# Altium PCB waffling80_classyTKL-NMB.PcbDoc (part 3 of 3)
Units mm, origin at the board's own origin, x right, y up, seen from the top; angles counter-clockwise.
Board outline 346.59 x 122.85 mm, 2 copper layers (Component Side, Bottom Layer), stack 1.171 mm thick; 212 components, 134 nets, 861 pads, 195 vias.
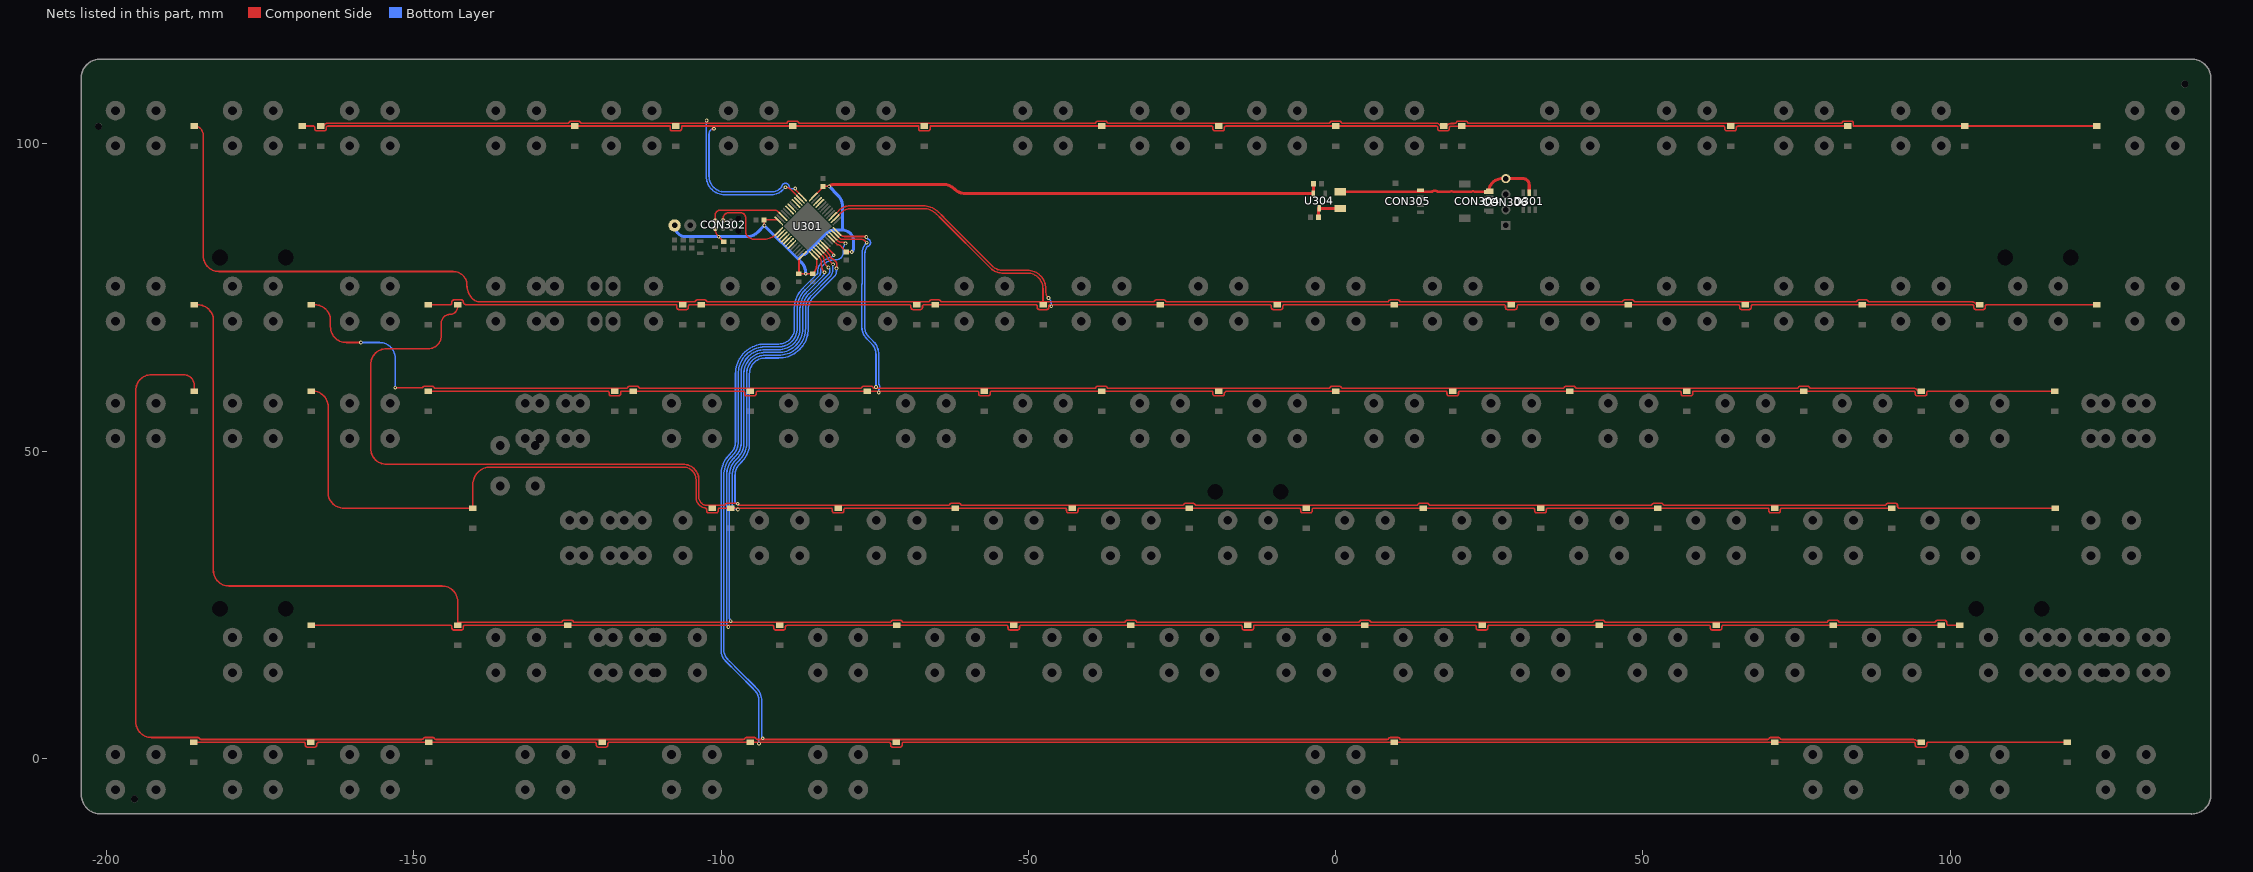
[diagram p3: the nets of this part, all layers, seen from the top]

## Via types
v1: diameter 0.6, hole 0.3, Component Side to Bottom Layer, tented both sides, 170 vias
v2: diameter 0.6, hole 0.3, Component Side to Bottom Layer, tented bottom, 25 vias

## Nets (pads, with @x,y where several pads share a name; then routed paths per layer and width w, separated by ;. In a path a pad name is that pad's centre, name@x,y a point inside that pad or via, vN(x,y) a via of type N, cw(c..) or ccw(c..) an arc to the next point about the centre after c; other vN are vias at no path point) (continued)
PA0: D250.2 D281.2 D284.2 D286.2 D288.2 U301.10 | length 457
  Component Side w0.254: D250.2@-185.737,59.785 -185.737,60.735 ccw(c-187.453,60.735) -187.453,62.45 -192.723,62.45 ccw(c-192.723,59.91) -195.263,59.91 -195.263,5.957 ccw(c-192.723,5.957) -192.723,3.417 -185.185,3.417 cw(c-185.185,3.09) -184.89,3.232 ccw(c-184.662,3.343) -184.663,3.089 -148.7,3.089 ccw(c-148.701,3.343) -148.473,3.232 cw(c-148.178,3.09) -148.178,3.417 -146.958,3.417 cw(c-146.958,3.09) -146.663,3.232 ccw(c-146.435,3.343) -146.436,3.089 -96.376,3.089 ccw(c-96.377,3.343) -96.149,3.232 cw(c-95.854,3.09) -95.854,3.417 -94.634,3.417 cw(c-94.634,3.09) -94.339,3.232 ccw(c-94.111,3.343) -94.112,3.089 8.393,3.089 ccw(c8.392,3.343) 8.62,3.232 cw(c8.915,3.09) 8.915,3.417 10.135,3.417 cw(c10.135,3.09) 10.43,3.232 ccw(c10.658,3.343) 10.657,3.089 70.305,3.089 ccw(c70.304,3.343) 70.532,3.232 cw(c70.827,3.09) 70.827,3.417 72.047,3.417 cw(c72.047,3.09) 72.342,3.232 ccw(c72.57,3.343) 72.569,3.089 94.059,3.089 cw(c94.059,2.381) 94.522,2.917 ccw(c94.687,3.11) 94.656,2.858 ccw(c94.687,3.11) 94.686,2.856 94.767,2.856 94.927,2.783 D281.2@95.25,2.635 ; U301.10@-81.653,84.861 -80.99,84.198 ccw(c-80.582,84.606) -80.582,84.028 -80.259,84.028 cw(c-80.259,83.317) v1(-79.756,83.82)
  Bottom Layer w0.254: -94.548,11.751 -96.956,14.159 -98.65,15.853 -98.947,16.15 cw(c-97.473,17.626) -99.559,17.626 -99.559,46.112 cw(c-95.203,46.112) -98.279,49.196 -98.087,49.389 ccw(c-100.203,51.506) -97.209,51.506 -97.209,62.627 cw(c-92.853,62.627) -96.924,64.176 cw(c-92.853,62.627) -95.348,66.198 cw(c-92.853,62.627) -93.317,66.958 cw(c-92.853,62.627) -93.31,66.959 ccw(c-93.338,67.211) -93.308,66.959 cw(c-92.936,64.062) -92.936,66.983 -90.624,66.983 ccw(c-90.624,69.977) -87.963,68.604 ccw(c-90.624,69.977) -87.63,69.977 -87.63,73.154 cw(c-83.274,73.154) -87.42,74.49 ; -94.547,11.75 -94.277,11.48 cw(c-96.393,9.362) -93.399,9.362 -93.399,3.356 ccw(c-93.345,3.356) v1@-93.345,3.302 ; -87.563,73.914 cw(c-83.274,73.154) -87.2,75.04 ; -87.336,74.728 cw(c-83.274,73.154) -87.029,75.361 cw(c-83.274,73.154) -86.351,76.238 -84.069,78.519 ccw(c-84.672,79.121) -83.82,79.121 -83.82,79.297 cw(c-82.422,79.297) -83.41,80.286 -83.182,80.515 cw(c-81.498,78.613) -81.498,81.153 -81.28,81.153 ccw(c-81.28,82.296) -80.137,82.296 -80.137,82.9 cw(c-78.836,82.9) -79.999,83.483 cw(c-78.836,82.9) v1(-79.756,83.82)
  other v1: -93.222,3.283
PA1: D232.2 D235.2 D237.2 D239.2 D241.2 D243.2 D245.2 D247.2 U301.11 | length 303.6
  Component Side w0.254: D232.2@-166.687,73.835 -166.116,73.835 cw(c-166.116,71.295) -163.576,71.295 -163.576,70.231 ccw(c-161.036,70.231) -161.036,67.691 v1(-158.623,67.691) ; v1(-153.035,60.341) -148.714,60.341 ccw(c-148.714,60.595) -148.535,60.415 -148.482,60.468 cw(c-148.247,60.24) -148.247,60.567 -147.027,60.567 cw(c-147.027,60.24) -146.844,60.511 cw(c-147.027,60.24) -146.732,60.382 ccw(c-146.504,60.493) -146.505,60.239 -115.432,60.239 ccw(c-115.433,60.493) -115.205,60.382 cw(c-114.91,60.24) -114.91,60.567 -113.69,60.567 cw(c-113.69,60.24) -113.431,60.439 cw(c-113.69,60.24) -113.395,60.382 ccw(c-113.167,60.493) -113.168,60.239 -77.332,60.239 ccw(c-77.333,60.493) -77.105,60.382 cw(c-76.81,60.24) -76.81,60.567 -75.59,60.567 cw(c-75.59,60.24) -75.295,60.382 ccw(c-75.067,60.493) -75.068,60.239 -39.232,60.239 ccw(c-39.233,60.493) -39.005,60.382 cw(c-38.71,60.24) -38.71,60.567 -37.49,60.567 cw(c-37.49,60.24) -37.195,60.382 ccw(c-36.967,60.493) -36.968,60.239 -1.132,60.239 ccw(c-1.133,60.493) -0.905,60.382 cw(c-0.61,60.24) -0.61,60.567 0.61,60.567 cw(c0.61,60.24) 0.905,60.382 ccw(c1.133,60.493) 1.132,60.239 36.968,60.239 ccw(c36.967,60.493) 37.195,60.382 cw(c37.49,60.24) 37.49,60.567 38.71,60.567 cw(c38.71,60.24) 39.005,60.382 ccw(c39.233,60.493) 39.232,60.239 55.959,60.239 cw(c55.959,59.531) 56.12,60.22 ccw(c56.177,60.468) 56.176,60.214 58.124,60.214 ccw(c58.123,60.468) 58.179,60.22 cw(c58.341,59.531) 58.341,60.239 75.068,60.239 ccw(c75.067,60.493) 75.295,60.382 cw(c75.59,60.24) 75.59,60.567 76.81,60.567 cw(c76.81,60.24) 77.069,60.439 cw(c76.81,60.24) 77.105,60.382 ccw(c77.333,60.493) 77.332,60.239 94.01,60.239 cw(c94.01,59.435) 94.417,60.129 cw(c94.059,59.518) 94.654,59.901 ccw(c94.867,60.039) 94.693,59.854 94.767,59.854 D235.2@95.25,59.785 ; U301.11@-81.3,85.214 -81.287,85.214 -80.765,84.692 ccw(c-80.258,85.2) -80.258,84.482 -77.245,84.482 cw(c-77.245,83.554) -76.588,84.21 v1(-76.316,83.939)
  Bottom Layer w0.254: v1(-158.623,67.691) -155.575,67.691 cw(c-155.575,65.151) -153.035,65.151 v1(-153.035,60.341) ; v1(-76.316,83.939) ccw(c-74.521,82.144) -77.06,82.144 -77.06,77.39 ccw(c-74.095,76.972) -77.089,76.972 -77.089,70.14 ccw(c-74.549,70.14) -76.345,68.344 -75.547,67.546 cw(c-77.343,65.75) -74.803,65.75 v1@-74.803,60.706
  other v1: -74.803,60.452
PA2: D234.2 D236.2 D238.2 D240.2 D242.2 D244.2 D246.2 D248.2 U301.12 | length 303.6
  Component Side w0.254: D248.2@-147.637,59.785 -118.491,59.785 cw(c-118.491,59.531) -118.237,59.531 -118.237,59.33 ccw(c-117.91,59.33) -117.91,59.003 -116.69,59.003 ccw(c-116.69,59.33) -116.363,59.33 -116.363,59.531 cw(c-116.109,59.531) -116.109,59.785 D246.2@-114.3,59.785 -96.441,59.785 cw(c-96.441,59.531) -96.187,59.531 -96.187,59.33 ccw(c-95.86,59.33) -95.86,59.003 -94.64,59.003 ccw(c-94.64,59.33) -94.313,59.33 -94.313,59.504 cw(c-94.059,59.503) -94.147,59.741 cw(c-93.901,59.071) -93.901,59.785 D244.2@-76.2,59.785 -58.341,59.785 cw(c-58.341,59.531) -58.087,59.531 -58.087,59.33 ccw(c-57.76,59.33) -57.76,59.003 -56.54,59.003 ccw(c-56.54,59.33) -56.213,59.33 -56.213,59.523 cw(c-55.959,59.521) -56.076,59.747 cw(c-55.919,59.443) -55.919,59.785 D242.2@-38.1,59.785 -20.241,59.785 cw(c-20.241,59.531) -19.987,59.531 -19.987,59.33 ccw(c-19.66,59.33) -19.66,59.003 -18.44,59.003 ccw(c-18.44,59.33) -18.113,59.33 -18.113,59.402 cw(c-17.859,59.401) -18.072,59.539 cw(c-17.617,59.241) -17.617,59.785 D240.2@0,59.785 17.859,59.785 cw(c17.859,59.531) 18.113,59.531 18.113,59.33 ccw(c18.44,59.33) 18.44,59.003 19.66,59.003 ccw(c19.66,59.33) 19.987,59.33 19.987,59.531 cw(c20.241,59.531) 20.241,59.785 D238.2@38.1,59.785 55.959,59.785 cw(c55.959,59.531) 56.213,59.531 56.213,59.33 ccw(c56.54,59.33) 56.54,59.003 57.76,59.003 ccw(c57.76,59.33) 58.087,59.33 58.087,59.531 cw(c58.341,59.531) 58.341,59.785 D236.2@76.2,59.785 94.01,59.785 cw(c94.01,59.435) 94.188,59.737 cw(c94.059,59.518) 94.313,59.519 94.313,59.33 ccw(c94.64,59.33) 94.64,59.003 95.86,59.003 ccw(c95.86,59.33) 96.187,59.33 96.187,59.531 cw(c96.441,59.531) 96.441,59.785 D234.2@117,59.785 ; U301.12@-80.946,85.568 U301.12@-80.568,85.19 ; U301.12@-80.567,85.189 ccw(c-79.957,85.801) -79.957,84.936 -76.427,84.936 v1(-76.363,84.872)
  Bottom Layer w0.254: v1(-76.363,84.872) -76.363,84.779 -76.226,84.642 -76.226,84.559 cw(c-76.316,83.939) -76.131,83.34 ccw(c-76.054,83.097) -76.169,83.324 -76.212,83.302 ccw(c-76.097,83.076) -76.315,83.206 ccw(c-74.521,82.144) -76.483,82.849 ccw(c-74.521,82.144) -76.606,82.144 -76.606,77.392 cw(c-77.06,77.39) -76.609,77.337 ccw(c-76.356,77.309) -76.609,77.334 ccw(c-76.356,77.309) -76.61,77.319 -76.611,77.316 ccw(c-76.363,77.262) -76.614,77.296 ccw(c-74.095,76.972) -76.635,76.972 -76.635,70.14 ccw(c-74.549,70.14) -76.023,68.664 -75.959,68.6 -75.227,67.868 cw(c-77.343,65.75) -74.349,65.75 -74.349,60.975 ccw(c-74.095,60.976) -74.3,60.826 cw(c-74.803,60.452) -74.3,60.078 ccw(c-74.095,59.928) -74.349,59.929 -74.349,59.739 cw(c-74.598,59.739) v1@-74.422,59.563
  other v1: -74.349,59.563
PA4: D216.2 D218.2 D220.2 D222.2 D224.2 D226.2 D228.2 D230.2 U301.14 | length 359.9
  Component Side w0.254: D216.2@-185.737,102.92 cw(c-185.737,101.459) -184.277,101.459 -184.277,81.788 ccw(c-181.737,81.788) -181.737,79.248 -143.587,79.248 cw(c-143.587,77.028) -141.367,77.028 ccw(c-138.274,76.981) -140.592,74.933 ccw(c-139.165,76.192) -139.163,74.289 D230.2@-106.275,74.289 ; D230.2@-106.275,73.835 D230.2@-106.275,74.289 ; U301.14@-81.3,88.007 -80.572,88.735 cw(c-78.776,86.939) -78.776,89.479 -67.088,89.479 cw(c-67.088,86.485) -64.97,88.601 -64.179,87.811 -56.106,79.738 ccw(c-54.31,81.534) -54.31,78.994 -50.165,78.994 cw(c-50.165,76.454) -47.625,76.454 D226.2@-47.625,74.289 ; D226.2@-47.625,73.835 D226.2@-47.625,74.289 ; D218.2@104.775,73.835 104.292,73.914 104.217,73.914 cw(c104.401,74.089) 104.186,73.954 ccw(c103.584,73.581) 103.584,74.289 86.857,74.289 cw(c86.858,74.543) 86.63,74.432 ccw(c86.335,74.29) 86.335,74.617 85.115,74.617 ccw(c85.115,74.29) 84.82,74.432 cw(c84.592,74.543) 84.593,74.289 69.401,74.289 48.757,74.289 cw(c48.758,74.543) 48.529,74.432 ccw(c48.235,74.29) 48.235,74.617 47.015,74.617 ccw(c47.015,74.29) 46.72,74.432 cw(c46.492,74.543) 46.493,74.289 10.657,74.289 cw(c10.658,74.543) 10.43,74.432 ccw(c10.135,74.29) 10.135,74.617 8.915,74.617 ccw(c8.915,74.29) 8.62,74.432 cw(c8.392,74.543) 8.393,74.289 -27.443,74.289 cw(c-27.442,74.543) -27.67,74.432 ccw(c-27.965,74.29) -27.965,74.617 -29.185,74.617 ccw(c-29.185,74.29) -29.48,74.432 cw(c-29.708,74.543) -29.707,74.289 -31.242,74.289 -44.992,74.289 D226.2@-47.625,74.289 ; D230.2@-106.275,74.289 -104.407,74.289 ccw(c-104.408,74.543) -104.18,74.432 cw(c-103.885,74.29) -103.885,74.617 -102.665,74.617 cw(c-102.665,74.29) -102.37,74.432 ccw(c-102.142,74.543) -102.143,74.289 -66.307,74.289 ccw(c-66.308,74.543) -66.08,74.432 cw(c-65.785,74.29) -65.785,74.617 -64.565,74.617 cw(c-64.565,74.29) -64.27,74.432 ccw(c-64.042,74.543) -64.043,74.289 D226.2@-47.625,74.289
PA5: D217.2 D219.2 D221.2 D223.2 D225.2 D227.2 D229.2 D231.2 U301.15 | length 323.7
  Component Side w0.254: D231.2@-147.637,73.835 -144.066,73.835 ccw(c-144.066,74.089) -143.812,74.089 -143.812,74.29 cw(c-143.485,74.29) -143.738,74.497 cw(c-143.485,74.29) -143.485,74.617 -142.265,74.617 cw(c-142.265,74.29) -141.938,74.29 ccw(c-141.483,74.29) -141.729,73.907 ccw(c-141.483,74.29) -141.483,73.835 -107.387,73.835 cw(c-107.387,73.66) -107.212,73.66 -107.212,73.38 ccw(c-106.885,73.38) -106.885,73.053 -105.665,73.053 ccw(c-105.665,73.38) -105.338,73.38 -105.338,73.581 cw(c-105.084,73.581) -105.084,73.835 D229.2@-103.275,73.835 -69.366,73.835 cw(c-69.366,73.581) -69.112,73.581 -69.112,73.38 ccw(c-68.785,73.38) -68.785,73.053 -67.565,73.053 ccw(c-67.565,73.38) -67.238,73.38 -67.238,73.581 cw(c-66.984,73.581) -66.984,73.835 D227.2@-65.175,73.835 -48.816,73.835 cw(c-48.816,73.581) -48.562,73.581 -48.562,73.38 ccw(c-48.235,73.38) -48.235,73.053 -47.015,73.053 ccw(c-47.015,73.38) -46.688,73.38 -46.688,73.581 cw(c-46.434,73.581) v1@-46.434,73.835 ; U301.15@-81.653,88.361 -80.825,89.189 cw(c-79.029,87.393) -79.029,89.933 -67.088,89.933 cw(c-67.088,86.485) -64.648,88.921 -63.86,88.133 ; -63.859,88.133 -63.654,87.927 -55.786,80.06 ccw(c-54.31,81.534) -54.31,79.448 -50.165,79.448 cw(c-50.165,76.454) -47.171,76.454 -47.171,75.854 ccw(c-46.917,75.855) -47.156,75.769 ccw(c-45.685,75.981) -46.998,75.285 ccw(c-45.685,75.981) v1(-46.736,74.93) ; v1@-46.267,73.835 D225.2@-28.575,73.835 -10.716,73.835 cw(c-10.716,73.581) -10.462,73.581 -10.462,73.38 ccw(c-10.135,73.38) -10.135,73.053 -8.915,73.053 ccw(c-8.915,73.38) -8.588,73.38 -8.588,73.581 cw(c-8.334,73.581) -8.334,73.835 D223.2@9.525,73.835 27.384,73.835 cw(c27.384,73.581) 27.638,73.581 27.638,73.38 ccw(c27.965,73.38) 27.965,73.053 29.185,73.053 ccw(c29.185,73.38) 29.512,73.38 29.512,73.581 cw(c29.766,73.581) 29.766,73.835 D221.2@47.625,73.835 65.484,73.835 cw(c65.484,73.581) 65.738,73.581 65.738,73.38 ccw(c66.065,73.38) 66.065,73.053 67.285,73.053 ccw(c67.285,73.38) 67.612,73.38 67.612,73.581 cw(c67.866,73.581) 67.866,73.835 D219.2@85.725,73.835 103.584,73.835 cw(c103.584,73.581) 103.838,73.581 103.838,73.38 ccw(c104.165,73.38) 104.165,73.053 105.385,73.053 ccw(c105.385,73.38) 105.712,73.38 105.712,73.581 cw(c105.966,73.581) 105.966,73.835 D217.2@123.825,73.835
  Bottom Layer w0.254: v1(-46.736,74.93) cw(c-47.868,73.798) -46.267,73.798 v1(-46.267,73.601)
PA9: U301.30
PA10: U301.31
PA15: U301.38
PB3: U301.39
PB4: U301.40
PB5: U301.41
PB6: U301.42
PB7: U301.43
PB10: U301.21
PB11: U301.22
PB12: D203.2 D205.2 D207.2 D209.2 D211.2 D213.2 D215.2 U301.25 | length 285.6
  Component Side w0.254: D215.2@-168.188,102.92 -166.379,102.92 cw(c-166.379,102.666) -166.125,102.666 -166.125,102.465 ccw(c-165.798,102.465) -165.798,102.138 -164.578,102.138 ccw(c-164.578,102.465) -164.251,102.465 -164.251,102.666 cw(c-163.997,102.666) -163.997,102.92 D213.2@-123.825,102.92 -108.318,102.92 -108.318,102.465 ccw(c-107.991,102.465) -107.991,102.138 -106.771,102.138 ccw(c-106.771,102.465) -106.444,102.465 -106.444,102.92 -100.847,102.92 ; -101.473,102.294 ccw(c-101.752,102.465) -101.425,102.465 -101.425,102.478 cw(c-101.171,102.477) -101.393,102.601 cw(c-100.847,102.294) -100.847,102.92 ; v1(-87.953,92.754) ccw(c-87.519,92.754) -87.826,92.448 U301.25@-86.921,91.543 ; D203.2@83.312,102.92 65.453,102.92 ccw(c65.453,102.666) 65.199,102.666 65.199,102.465 cw(c64.872,102.465) 64.872,102.138 63.652,102.138 cw(c63.652,102.465) 63.325,102.465 63.325,102.666 ccw(c63.071,102.666) 63.071,102.92 D205.2@20.549,102.92 20.066,102.87 18.74,102.87 ccw(c18.74,102.616) 18.486,102.616 18.486,102.465 cw(c18.159,102.465) 18.159,102.138 16.939,102.138 cw(c16.939,102.465) 16.612,102.465 16.612,102.666 ccw(c16.358,102.666) 16.358,102.92 D207.2@0,102.92 -17.859,102.92 ccw(c-17.859,102.666) -18.113,102.666 -18.113,102.465 cw(c-18.44,102.465) -18.44,102.138 -19.66,102.138 cw(c-19.66,102.465) -19.987,102.465 -19.987,102.666 ccw(c-20.241,102.666) -20.241,102.92 D209.2@-38.1,102.92 -65.995,102.92 -65.995,102.465 cw(c-66.322,102.465) -66.322,102.138 -67.542,102.138 cw(c-67.542,102.465) -67.869,102.465 -67.869,102.92 D211.2@-88.331,102.92 -100.847,102.92
  Bottom Layer w0.254: v1(-101.171,102.477) ccw(c-101.171,101.675) -101.973,101.675 -101.973,100.404 ccw(c-99.441,100.202) -101.981,100.202 -101.981,94.743 ccw(c-99.441,94.743) -99.441,92.203 -91.802,92.203 ccw(c-91.802,94.289) -90.569,92.606 cw(c-90.3,92.24) -90.562,92.611 ccw(c-91.828,94.368) -90.45,92.698 ccw(c-90.614,92.892) -90.433,92.714 cw(c-89.935,92.211) -90.407,92.738 ccw(c-91.802,94.289) -90.349,92.792 ccw(c-91.802,94.289) -90.326,92.815 ; -90.326,92.815 -90.226,92.915 ccw(c-90.406,93.094) -90.155,93.056 cw(c-89.535,92.964) -88.908,92.973 ccw(c-88.654,92.979) -88.655,92.725 -87.983,92.725 v1(-87.953,92.754)
PB13: D201.2 D202.2 D204.2 D206.2 D208.2 D210.2 D212.2 D214.2 U301.26 | length 319.2
  Component Side w0.254: D214.2@-165.188,102.92 -164.658,102.92 cw(c-163.997,102.666) -163.997,103.374 -124.957,103.374 ccw(c-124.958,103.628) -124.73,103.517 cw(c-124.435,103.375) -124.435,103.702 -123.215,103.702 cw(c-123.215,103.375) -122.92,103.516 ccw(c-122.692,103.628) -122.693,103.374 -102.362,103.374 ; v1(-102.362,103.825) -102.362,103.374 ; v1(-89.535,92.964) cw(c-89.535,91.791) -88.706,92.621 U301.26@-87.275,91.189 ; D201.2@123.825,102.92 D202.2@102.362,102.92 84.249,102.92 84.249,103.375 ccw(c83.922,103.375) 83.922,103.702 82.702,103.702 ccw(c82.702,103.375) 82.376,103.391 82.358,103.374 21.681,103.374 cw(c21.682,103.628) 21.454,103.516 ccw(c21.159,103.375) 21.159,103.702 19.939,103.702 ccw(c19.939,103.375) 19.645,103.517 cw(c19.416,103.628) 19.417,103.374 cw(c19.267,103.578) 19.267,103.324 18.74,103.324 ccw(c18.74,102.616) 18.163,103.026 cw(c17.956,103.174) 17.957,102.92 D206.2@17.549,102.92 17.174,102.92 cw(c17.175,103.174) 16.96,103.039 ccw(c16.358,102.666) 16.358,103.374 1.132,103.374 cw(c1.133,103.628) 0.905,103.516 ccw(c0.61,103.375) 0.61,103.702 -0.61,103.702 ccw(c-0.61,103.375) -0.905,103.517 cw(c-1.133,103.628) -1.132,103.374 -36.968,103.374 cw(c-36.967,103.628) -37.195,103.516 ccw(c-37.49,103.375) -37.49,103.702 -38.71,103.702 ccw(c-38.71,103.375) -39.005,103.516 cw(c-39.233,103.628) -39.232,103.374 -87.394,103.374 ccw(c-87.721,103.375) -87.721,103.702 -88.941,103.702 ccw(c-88.941,103.375) -89.268,103.375 -102.362,103.374
  Bottom Layer w0.254: v1(-102.362,103.825) -102.427,103.759 -102.427,100.592 -102.435,100.584 -102.435,94.743 ccw(c-99.441,94.743) -101.911,93.05 ccw(c-99.441,94.743) -99.441,91.749 -91.802,91.749 ccw(c-91.802,94.289) -90.3,92.24 ccw(c-91.828,94.368) -90.159,92.349 ccw(c-90.614,92.892) -90.113,92.391 cw(c-89.935,92.211) -90.105,92.399 ccw(c-91.802,94.289) -90.006,92.493 v1(-89.535,92.964)
PB14: U301.27
PB15: U301.28
PC13: D265.2 D267.2 D269.2 D271.2 D273.2 D275.2 D277.2 D279.2 U301.2 | length 342.5
  Component Side w0.254: D279.2@-166.687,21.685 -144.066,21.685 cw(c-144.066,21.431) -143.812,21.431 -143.812,21.23 ccw(c-143.485,21.23) -143.485,20.903 -142.265,20.903 ccw(c-142.265,21.23) -142.228,20.905 ccw(c-142.265,21.23) -141.939,21.217 ccw(c-142.265,21.23) -141.938,21.23 -141.938,21.471 cw(c-141.684,21.471) -141.822,21.684 ; -141.821,21.685 D277.2@-124.968,21.685 -91.679,21.685 cw(c-91.679,21.431) -91.425,21.431 -91.425,21.23 ccw(c-91.098,21.23) -91.098,20.903 -89.878,20.903 ccw(c-89.878,21.23) -89.551,21.23 -89.551,21.392 cw(c-89.297,21.391) -89.395,21.626 cw(c-89.096,20.903) -89.096,21.685 D275.2@-71.438,21.685 -53.579,21.685 cw(c-53.579,21.431) -53.325,21.431 -53.325,21.23 ccw(c-52.998,21.23) -52.998,20.903 -51.777,20.903 ccw(c-51.777,21.23) -51.469,21.122 ccw(c-51.777,21.23) -51.45,21.23 -51.45,21.431 cw(c-51.196,21.431) -51.196,21.685 D273.2@-33.337,21.685 -15.404,21.685 cw(c-15.479,21.442) -15.225,21.442 -15.225,21.23 ccw(c-14.898,21.23) -14.898,20.903 -13.677,20.903 ccw(c-13.677,21.23) -13.35,21.23 -13.35,21.487 cw(c-13.096,21.487) -13.256,21.685 D271.2@4.763,21.685 22.621,21.685 cw(c22.621,21.431) 22.875,21.431 22.875,21.23 ccw(c23.202,21.23) 23.202,20.903 24.423,20.903 ccw(c24.423,21.23) 24.75,21.23 24.75,21.431 cw(c25.004,21.431) 25.004,21.685 D269.2@42.862,21.685 60.721,21.685 cw(c60.721,21.431) 60.975,21.431 60.975,21.23 ccw(c61.302,21.23) 61.302,20.903 62.523,20.903 ccw(c62.523,21.23) 62.85,21.23 62.85,21.432 cw(c63.104,21.431) 63.092,21.685 cw(c63.105,21.381) 63.105,21.685 D267.2@80.962,21.685 D265.2@98.515,21.685 ; U301.2@-84.482,82.032 -84.078,81.629 cw(c-85.045,80.661) -83.677,80.661 -83.677,80.309 ccw(c-81.997,80.309) v1(-83.185,79.121)
  Bottom Layer w0.254: v1(-98.827,21.382) cw(c-98.156,22.053) -99.105,22.053 -99.105,46.112 cw(c-95.203,46.112) -97.959,48.874 -97.763,49.071 ; -98.522,48.163 cw(c-95.203,46.112) -97.957,48.876 ; -97.957,48.877 -97.767,49.067 ccw(c-100.203,51.506) -97.763,49.071 ; -86.448,75.424 ccw(c-83.274,73.154) -87.176,73.154 -87.176,69.977 cw(c-90.624,69.977) -88.645,67.154 cw(c-90.624,69.977) -90.624,66.529 -92.936,66.529 ccw(c-92.936,64.062) -93.254,66.508 cw(c-93.286,66.76) -93.258,66.508 ccw(c-92.853,62.627) -95.203,65.742 ccw(c-92.853,62.627) -96.755,62.627 -96.755,51.236 cw(c-99.295,51.236) -97.234,49.752 ccw(c-97.027,49.605) -97.244,49.736 cw(c-100.203,51.506) -97.763,49.071 ; -86.447,75.425 cw(c-83.274,73.154) -86.297,75.621 cw(c-83.274,73.154) -86.036,75.91 cw(c-83.274,73.154) -86.03,75.916 -83.439,78.507 ccw(c-84.054,79.121) -83.251,78.788 ccw(c-84.054,79.121) v1(-83.185,79.121)
PC14: D233.2 D266.2 D268.2 D270.2 D272.2 D274.2 D276.2 D278.2 U301.3 | length 407.9
  Component Side w0.254: D233.2@-185.737,73.835 -185.166,73.835 cw(c-185.166,71.295) -182.626,71.295 -182.626,30.607 ccw(c-180.086,30.607) -180.086,28.067 -145.415,28.067 cw(c-145.415,25.527) -142.875,25.527 D278.2@-142.875,22.139 ; D278.2@-142.875,21.685 D278.2@-142.875,22.139 ; U301.3@-84.128,82.386 -83.509,81.767 cw(c-84.199,81.077) -83.223,81.077 ccw(c-81.966,81.077) -82.856,80.189 ccw(c-81.966,81.077) -82.855,80.188 v1(-82.55,79.883) ; D266.2@101.515,21.685 99.706,21.685 cw(c99.706,21.939) 99.452,21.939 99.452,22.14 ccw(c99.125,22.14) 99.125,22.467 97.905,22.467 ccw(c97.905,22.14) 97.61,22.282 cw(c97.382,22.393) 97.383,22.139 82.094,22.139 cw(c82.096,22.393) 81.867,22.282 ccw(c81.573,22.14) 81.573,22.467 80.352,22.467 ccw(c80.352,22.14) 80.058,22.282 cw(c79.829,22.393) 79.831,22.139 43.994,22.139 cw(c43.996,22.393) 43.767,22.282 ccw(c43.473,22.14) 43.473,22.467 42.252,22.467 ccw(c42.252,22.14) 41.958,22.282 cw(c41.729,22.393) 41.731,22.139 5.894,22.139 cw(c5.896,22.393) 5.667,22.282 ccw(c5.373,22.14) 5.373,22.467 4.152,22.467 ccw(c4.152,22.14) 3.858,22.282 cw(c3.629,22.393) 3.631,22.139 -32.206,22.139 cw(c-32.204,22.393) -32.433,22.282 ccw(c-32.727,22.14) -32.727,22.467 -33.948,22.467 ccw(c-33.948,22.14) -34.242,22.282 cw(c-34.471,22.393) -34.469,22.139 -70.306,22.139 cw(c-70.304,22.393) -70.533,22.282 ccw(c-70.827,22.14) -70.827,22.467 -72.048,22.467 ccw(c-72.048,22.14) -72.342,22.282 cw(c-72.571,22.393) -72.569,22.139 -123.836,22.139 cw(c-123.835,22.393) -124.063,22.282 ccw(c-124.358,22.14) -124.358,22.467 -125.578,22.467 ccw(c-125.578,22.14) -125.873,22.282 cw(c-126.101,22.393) -126.1,22.139 D278.2@-142.875,22.139
  Bottom Layer w0.254: v1(-98.425,22.352) cw(c-97.879,22.898) -98.651,22.898 -98.651,46.112 cw(c-95.203,46.112) -97.64,48.551 cw(c-95.203,46.112) -97.635,48.556 ; -97.635,48.556 -97.448,48.744 ; -97.447,48.744 ccw(c-100.203,51.506) -97.441,48.75 ccw(c-100.203,51.506) -96.864,49.488 cw(c-96.647,49.355) -96.855,49.501 ccw(c-99.295,51.236) -96.301,51.236 -96.301,62.627 cw(c-92.853,62.627) -96.283,62.981 cw(c-92.853,62.627) -92.853,66.075 -90.624,66.075 ccw(c-90.624,69.977) -86.724,69.845 ccw(c-90.624,69.977) -86.722,69.977 -86.722,73.154 cw(c-83.274,73.154) -86.382,74.646 ; -86.465,74.461 cw(c-83.274,73.154) -86.078,75.161 cw(c-83.274,73.154) -85.876,75.416 cw(c-83.274,73.154) -85.71,75.594 -82.609,78.695 ; -82.609,78.695 ccw(c-83.32,79.406) -82.315,79.406 v1@-82.315,79.822
PC15: D249.2 D252.2 D254.2 D256.2 D258.2 D260.2 D262.2 D296.2 U301.4 | length 344.7
  Component Side w0.254: D249.2@-166.687,59.785 -166.497,59.785 cw(c-166.497,57.245) -163.957,57.245 -163.957,43.275 ccw(c-161.417,43.275) -161.417,40.735 D296.2@-140.46,40.735 ; D296.2@-140.417,40.735 D296.2@-140.46,40.735 ; -102.607,40.761 cw(c-102.302,42.519) -104.086,42.519 -104.086,45.339 ccw(c-106.172,45.339) -106.172,47.425 -137.528,47.425 ccw(c-137.528,44.536) -140.417,44.536 -140.417,41.005 cw(c-141.29,41.005) D296.2@-140.46,40.735 ; -102.607,40.761 ccw(c-102.302,42.519) -102.583,40.757 cw(c-102.621,40.506) -102.367,40.521 -102.367,40.28 ccw(c-102.04,40.28) -102.04,39.953 -100.82,39.953 ccw(c-100.82,40.28) -100.493,40.28 -100.493,40.481 cw(c-100.239,40.481) -100.239,40.735 D262.2@-98.43,40.735 -82.154,40.735 cw(c-82.154,40.481) -81.9,40.481 -81.9,40.28 ccw(c-81.573,40.28) -81.573,39.953 -80.353,39.953 ccw(c-80.353,40.28) -80.026,40.28 -80.026,40.481 cw(c-79.772,40.481) -79.772,40.735 D260.2@-61.913,40.735 -44.054,40.735 cw(c-44.054,40.481) -43.8,40.481 -43.8,40.28 ccw(c-43.473,40.28) -43.473,39.953 -42.253,39.953 ccw(c-42.253,40.28) -41.926,40.28 -41.926,40.481 cw(c-41.672,40.481) -41.672,40.735 D258.2@-23.813,40.735 -5.954,40.735 cw(c-5.954,40.481) -5.7,40.481 -5.7,40.28 ccw(c-5.373,40.28) -5.373,39.953 -4.153,39.953 ccw(c-4.153,40.28) -3.826,40.28 -3.826,40.481 cw(c-3.572,40.481) -3.572,40.735 D256.2@14.287,40.735 32.146,40.735 cw(c32.146,40.481) 32.4,40.481 32.4,40.28 ccw(c32.727,40.28) 32.727,39.953 33.947,39.953 ccw(c33.947,40.28) 34.274,40.28 34.274,40.481 cw(c34.528,40.481) 34.528,40.735 D254.2@52.387,40.735 70.246,40.735 cw(c70.246,40.481) 70.5,40.481 70.5,40.28 ccw(c70.827,40.28) 70.827,39.953 72.047,39.953 ccw(c72.047,40.28) 72.374,40.28 72.374,40.481 cw(c72.628,40.481) 72.628,40.735 D252.2@90.487,40.735 ; -83.123,82.075 -83.774,82.727 U301.4@-83.775,82.739 -82.881,81.846 cw(c-83.151,81.576) -82.769,81.576 ccw(c-82.334,81.576) -82.642,81.268 v1(-81.783,80.41) v1@-81.877,80.41
  Bottom Layer w0.254: -97.606,47.897 cw(c-95.203,46.112) -97.319,48.23 ; -97.313,48.236 ccw(c-95.203,46.112) -97.319,48.23 ; -97.313,48.236 -97.179,48.37 -97.128,48.421 ; v1(-97.282,40.513) cw(c-97.282,41.428) -98.197,41.428 -98.197,46.112 cw(c-95.203,46.112) -97.319,48.23 ; -97.128,48.421 ccw(c-100.203,51.506) -96.483,49.239 cw(c-96.267,49.106) -96.476,49.251 ccw(c-99.295,51.236) -95.847,51.236 -95.847,62.627 cw(c-92.853,62.627) -92.853,65.621 -90.624,65.621 ccw(c-90.624,69.977) -89.599,65.743 ccw(c-90.624,69.977) -86.268,69.977 -86.268,73.154 cw(c-83.274,73.154) -85.39,75.272 -82.29,78.372 ccw(c-83.32,79.406) -82.287,78.375 ccw(c-83.32,79.406) -81.861,79.406 -81.861,80.064 -81.85,80.075 -81.85,80.344 v1(-81.783,80.41)
PF0: D251.2 D253.2 D255.2 D257.2 D259.2 D261.2 D263.2 D264.2 U301.5 | length 368.8
  Component Side w0.254: D264.2@-142.875,73.835 -142.875,73.533 cw(c-144.145,73.533) -144.145,72.263 ccw(c-144.145,70.866) -145.542,70.866 -145.542,68.77 cw(c-147.637,68.77) -147.637,66.675 -154.486,66.675 ccw(c-154.486,64.135) -157.026,64.135 -157.026,50.419 ccw(c-154.486,50.419) -154.486,47.879 -106.172,47.879 cw(c-106.172,45.339) -103.632,45.339 -103.632,42.519 ccw(c-102.302,42.519) -102.302,41.189 -99.562,41.189 ccw(c-99.563,41.443) -99.335,41.332 cw(c-99.04,41.19) -99.04,41.517 -97.371,41.517 cw(c-97.371,41.443) v1(-97.297,41.443) ccw(c-97.043,41.443) -97.043,41.189 -63.045,41.189 ccw(c-63.046,41.443) -62.818,41.332 cw(c-62.523,41.19) -62.523,41.517 -61.303,41.517 cw(c-61.303,41.19) -61.043,41.389 cw(c-61.303,41.19) -61.008,41.332 ccw(c-60.78,41.443) -60.781,41.189 -24.945,41.189 ccw(c-24.946,41.443) -24.717,41.332 cw(c-24.423,41.19) -24.423,41.517 -23.203,41.517 cw(c-23.203,41.19) -22.908,41.332 ccw(c-22.68,41.443) -22.681,41.189 13.155,41.189 ccw(c13.154,41.443) 13.383,41.332 cw(c13.677,41.19) 13.677,41.517 14.897,41.517 cw(c14.897,41.19) 15.192,41.332 ccw(c15.42,41.443) 15.419,41.189 51.255,41.189 ccw(c51.254,41.443) 51.483,41.332 cw(c51.777,41.19) 51.777,41.517 52.997,41.517 cw(c52.997,41.19) 53.292,41.332 ccw(c53.52,41.443) 53.519,41.189 89.355,41.189 ccw(c89.354,41.443) 89.583,41.332 cw(c89.877,41.19) 89.877,41.517 91.097,41.517 cw(c91.097,41.19) 91.424,41.19 91.424,40.989 ccw(c91.678,40.989) 91.678,40.735 D251.2@117.1,40.735 ; U301.5@-83.421,83.093 -83.421,83.08 -82.664,82.323 ccw(c-82.417,82.383) -82.598,82.205 -82.449,82.056 cw(c-82.769,81.734) -82.339,81.88 -82.315,81.812 -82.314,81.81 cw(c-82.554,81.725) -82.305,81.773 ccw(c-81.688,81.888) -82.132,81.445 ccw(c-81.688,81.888) -82.131,81.444 ccw(c-81.688,81.888) -81.819,81.275 cw(c-81.873,81.026) -81.775,81.261 cw(c-81.873,81.026) -81.694,81.206 -81.453,80.966 ccw(c-81.242,81.108) -81.423,80.93 -81.406,80.912 ccw(c-81.227,81.093) -81.389,80.897 cw(c-81.783,80.41) -81.173,80.269 cw(c-81.783,80.41) -81.212,80.152 ccw(c-80.98,80.048) -81.234,80.05 v1(-81.234,79.756)
  Bottom Layer w0.254: v1(-97.297,41.443) cw(c-97.297,42.343) -97.566,41.484 cw(c-97.489,41.726) -97.743,41.725 -97.743,46.112 cw(c-95.203,46.112) -96.999,47.908 cw(c-95.203,46.112) -96.99,47.917 -96.843,48.064 -96.808,48.099 ccw(c-100.203,51.506) -96.803,48.104 ccw(c-100.203,51.506) -96.8,48.107 ccw(c-100.203,51.506) -96.104,48.989 cw(c-95.887,48.857) -96.096,49.001 ccw(c-99.295,51.236) -95.393,51.179 ccw(c-97.933,51.225) -95.393,51.225 -95.393,62.627 cw(c-92.853,62.627) -92.853,65.167 -90.624,65.167 ccw(c-90.624,69.977) -85.814,69.977 -85.814,73.154 cw(c-83.274,73.154) -85.07,74.95 cw(c-83.274,73.154) -85.068,74.952 -81.577,78.443 ccw(c-82.405,79.271) -81.234,79.271 v1(-81.234,79.756)
PF1: D280.2 D282.2 D283.2 D285.2 D287.2 D289.2 U301.6 | length 403.2
  Component Side w0.254: D289.2@-185.795,2.635 -167.936,2.635 cw(c-167.936,2.381) -167.682,2.381 -167.682,2.18 ccw(c-167.355,2.18) -167.355,1.853 -166.135,1.853 ccw(c-166.135,2.18) -165.808,2.18 -165.808,2.324 cw(c-165.554,2.324) -165.734,2.503 -165.676,2.561 cw(c-165.497,2.381) -165.497,2.635 D287.2@-147.568,2.635 -120.565,2.635 cw(c-120.565,2.381) -120.311,2.381 -120.311,2.18 ccw(c-119.984,2.18) -119.984,1.853 -118.764,1.853 ccw(c-118.764,2.18) -118.437,2.18 -118.437,2.381 cw(c-118.183,2.381) -118.183,2.635 D285.2@-95.244,2.635 -72.686,2.635 cw(c-72.686,2.381) -72.432,2.381 -72.432,2.18 ccw(c-72.105,2.18) -72.105,1.853 -70.885,1.853 ccw(c-70.885,2.18) -70.565,2.114 ccw(c-70.885,2.18) -70.558,2.18 -70.558,2.381 cw(c-70.304,2.381) -70.304,2.635 25.956,2.635 D282.2@71.437,2.635 94.059,2.635 cw(c94.059,2.381) 94.313,2.381 94.313,2.18 ccw(c94.64,2.18) 94.64,1.853 95.86,1.853 ccw(c95.86,2.18) 96.187,2.18 96.187,2.381 cw(c96.441,2.381) 96.441,2.635 D280.2@119.062,2.635 ; U301.6@-83.067,83.446 v1@-81.754,82.134
  Bottom Layer w0.254: v1(-93.853,2.414) -93.853,9.362 ccw(c-96.393,9.362) -94.597,11.158 -94.869,11.43 -97.277,13.838 -99.269,15.83 cw(c-97.473,17.626) -100.013,17.626 -100.013,46.112 cw(c-95.203,46.112) -98.601,49.516 -98.407,49.71 ccw(c-100.203,51.506) -98.405,49.712 ccw(c-100.203,51.506) -97.663,51.506 -97.663,62.627 cw(c-92.853,62.627) -94.941,66.96 cw(c-92.853,62.627) -94.257,67.228 cw(c-92.853,62.627) -93.363,67.41 ccw(c-93.391,67.662) -93.361,67.41 cw(c-92.936,64.062) -92.936,67.437 -90.624,67.437 ccw(c-90.624,69.977) -88.084,69.977 -88.084,73.289 cw(c-85.544,73.289) -88.059,73.644 ccw(c-88.311,73.679) -88.058,73.651 cw(c-83.274,73.154) -86.671,76.559 -84.968,78.262 -84.392,78.838 ccw(c-84.672,79.121) -84.274,79.121 -84.274,79.297 cw(c-82.422,79.297) -84.262,79.511 cw(c-82.422,79.297) -84.041,80.197 ; -84.262,79.512 cw(c-82.422,79.297) -83.733,80.606 cw(c-82.422,79.297) -83.731,80.607 -83.504,80.834 cw(c-83.182,80.515) -83.483,80.854 cw(c-81.498,78.613) -82.718,81.347 cw(c-81.498,78.613) -82.153,81.534 ccw(c-82.21,81.782) -82.031,81.601 -81.813,81.82 cw(c-81.634,81.64) v1(-81.688,81.888)
RAW: CON304.1 CON305.1 CON306.1 D301.5 F301.2 | length 34.4
  Component Side w0.4: F301.2@0.746,92.203 15.51,92.202 ccw(c15.508,92.602) 15.733,92.271 cw(c16.129,91.694) 16.525,92.271 ccw(c16.75,92.602) 16.748,92.202 18.401,92.202 ccw(c18.399,92.602) 18.548,92.231 cw(c18.811,91.582) 19.093,92.222 ccw(c19.253,92.589) 19.152,92.202 ccw(c19.253,92.589) 19.353,92.202 21.957,92.202 ccw(c21.955,92.602) 22.104,92.231 cw(c22.367,91.582) 22.63,92.231 ccw(c22.778,92.602) 22.777,92.202 24.881,92.202 25.06,92.202 CON304.1@25.06,92.478
  Component Side w0.5: CON304.1@24.881,92.178 cw(c27.064,92.178) 24.881,92.202 cw(c27.064,92.178) 27.064,94.361 CON306.1@27.691,94.361 30.48,94.361 cw(c30.48,93.345) 31.496,93.345 D301.5@31.496,92.053
SWCLK: CON302.4 U301.37 | length 13.5
  Component Side w0.254: CON302.4@-99.695,87.503 -99.695,87.898 cw(c-98.814,87.898) -98.814,88.779 -96.808,88.779 cw(c-96.808,87.983) -96.047,88.217 cw(c-96.808,87.983) -96.012,87.983 -96.012,85.801 ccw(c-94.721,85.801) -94.721,84.51 -92.92,84.51 ccw(c-92.92,87.05) -91.124,85.254 U301.37@-90.81,85.568
SWDIO: CON302.2 U301.34 | length 12.6
  Component Side w0.254: CON302.2@-100.965,87.503 -100.965,88.423 cw(c-100.155,88.423) -100.155,89.233 -91.353,89.233 cw(c-91.353,88.321) -90.708,88.966 U301.34@-90.103,88.361
VCC: C307.2 F301.1 U304.3 | length 5
  Component Side w0.5: C307.2@-2.789,88.087 -2.789,89.543 U304.3@-2.677,89.543 -2.677,89.503 F301.1@0.746,89.503
VCC3V3: C301.2 C302.2 C303.2 C304.2 C305.2 C308.2 CON302.1 CON303.2 R303.1 U301.1 U301.9 U301.24 U301.36 U301.48 U304.2 | length 151.2
  Component Side w0.254: CON302.1@-100.965,86.233 ccw(c-99.101,86.233) -100.961,86.111 ccw(c-99.101,86.233) -100.419,84.915 v1(-100.408,84.905) -99.593,84.089 R303.1@-99.568,84.089 ; v1(-92.964,86.741) -92.964,87.57 ccw(c-93,87.57) C305.2@-93,87.606 cw(c-92.952,87.606) -92.952,87.654 U301.36@-90.81,87.654 ; U301.48@-86.921,81.679 -87.328,81.272 -87.328,78.93 C301.2@-87.376,78.882 v1(-86.233,78.882) C303.2@-85.09,78.882 ccw(c-86.687,80.479) C303.2@-85.09,78.882 ccw(c-86.687,80.479) -84.428,80.479 -84.428,81.272 U301.1@-84.835,81.679 ; U301.24@-84.835,91.543 -83.737,92.641 -83.737,92.803 -83.639,92.901 cw(c-83.449,92.901) -83.449,93.091 v1(-82.423,93.091) ; U301.9@-82.007,84.507 -81.294,83.795 -81.148,83.648 ; -81.147,83.648 ccw(c-80.969,83.828) -80.973,83.574 cw(c-80.975,82.947) -80.424,83.247 ccw(c-80.201,83.369) -80.381,83.19 -79.927,82.736 -79.918,82.727 -79.918,82.711 C302.2@-79.629,82.438 -79.629,82.423 v1(-78.74,82.423)
  Component Side w0.5: CON303.2@-107.84,86.741 CON303.2@-107.569,86.741 ; v1(-82.423,93.091) cw(c-81.643,92.311) -81.643,93.414 -63.835,93.414 cw(c-63.835,90.932) -62.08,92.687 ccw(c-60.284,94.483) -60.284,91.943 U304.2@-3.627,91.943 -3.627,93.529 C304.2@-3.581,93.529
  Bottom Layer w0.5: CON303.2@-107.569,86.741 ccw(c-105.733,86.741) -105.733,84.905 v1(-100.408,84.905) -95.846,84.905 ccw(c-95.846,87.429) -94.061,85.644 ; -94.061,85.644 v1(-92.964,86.741) -87.328,81.105 ; -86.846,81.851 ccw(c-86.36,81.28) -86.923,81.775 ; v1(-86.233,78.882) -86.233,78.958 ccw(c-88.773,78.958) -86.977,80.754 -87.328,81.105 ; v1(-82.423,93.091) -81.004,91.672 cw(c-82.8,89.876) -80.26,89.876 -80.26,85.983 ; v1(-78.74,82.423) ccw(c-79.439,83.122) -78.45,83.122 -78.45,84.173 ccw(c-80.26,84.173) -80.26,85.983 ; -87.328,81.105 cw(c-86.688,81.105) -87.14,81.557 -86.942,81.755 ccw(c-87.297,82.107) -86.923,81.775 ; -86.923,81.775 cw(c-86.36,81.28) -86.528,82.011 cw(c-86.36,81.28) -86.491,82.018 ccw(c-86.581,82.51) -86.229,82.155 -85.726,82.659 -85.407,82.916 ccw(c-85.878,83.499) -85.348,82.969 -85.196,83.121 -82.884,85.433 cw(c-81.556,84.105) -81.556,85.983 -80.26,85.983
pads on no net: CON302.0 CON302.6 D301.3 D301.4 S201. S202_1. S203_1. S204_1. S205_1. S206. S207. S208. S209_1. S210. S211. S212. S212.2@-117.857,105.414 S213. S214. S215. S216. S217. S218. S219. S220. S221. S222. S223. S224. S225. S226. S227. S228. S229. S230. S231. S232. S233. S234. S234_1. S235. S236. S237. S238. S239. S240. S241. S242. S243. S244. S245. S246. S247. S247_1. S248. S249. S250. S251. S252. S253. S254. S255. S256. S257. S258. S259. S260. S261. S262. S263. S264. S264_1. S265. S265_1. S265_2. S265_3. S266. S267. S268. S269. S270. S271. S272. S273. S274. S275. S276. S277. S277_1. S277_2. S278. S279. S280. S281. S282. S283. S284. S285. S286. S287. S288. S289. S296. S296_1. S296_2.

## Polygon pours and split planes (outlines as drawn)
GND on Bottom Layer "GND_L02_P000" (hatched 45Degree grid 1.397 track 0.203, remove dead copper, pour order 0): -204.126,-5.982 cw(c-204.031,-5.897) -204.158,-5.897 -204.158,110.684 cw(c-201.031,110.684) -201.031,113.811 cw(c-201.031,113.684) -200.973,113.797 139.297,113.797 cw(c139.297,110.67) 142.424,110.67 142.424,-5.884 cw(c142.3,-5.916) 142.428,-5.916 cw(c139.3,-5.916) 139.3,-9.043 cw(c139.3,-8.916) 139.234,-9.024 -200.999,-9.024 cw(c-200.999,-5.897)
GND on Component Side "GND_L01_P001" (hatched 45Degree grid 1.397 track 0.203, remove dead copper, pour order 1): -204.126,-5.982 cw(c-204.031,-5.897) -204.158,-5.897 -204.158,110.684 cw(c-201.031,110.684) -201.031,113.811 cw(c-201.031,113.684) -200.973,113.797 139.297,113.797 cw(c139.297,110.67) 142.424,110.67 142.424,-5.884 cw(c142.3,-5.916) 142.428,-5.916 cw(c139.3,-5.916) 139.3,-9.043 cw(c139.3,-8.916) 139.234,-9.024 -200.999,-9.024 cw(c-200.999,-5.897)

## Silkscreen, mask and mechanical layers (free items; w line width, h text height)
Top Overlay:
  drawing of 2 lines, arcs and shapes, not listed
  text "RESET" at -107.95,88.392 h0.75
  text "Waffling80" at -187.477,34.178 h3.3
  text "NMB Rev B2 / ClassyTKL Remix" at -186.154,30.609 h2
outline:
  drawing of 5639 lines, arcs and shapes, not listed
Mechanical 3:
  drawing of 5631 lines, arcs and shapes, not listed
Mechanical 18:
  drawing of 996 lines, arcs and shapes, not listed
Mechanical 19:
  drawing of 1347 lines, arcs and shapes, not listed